# KiCad board rcbus-ymf262-panel.kicad_pcb (continued)
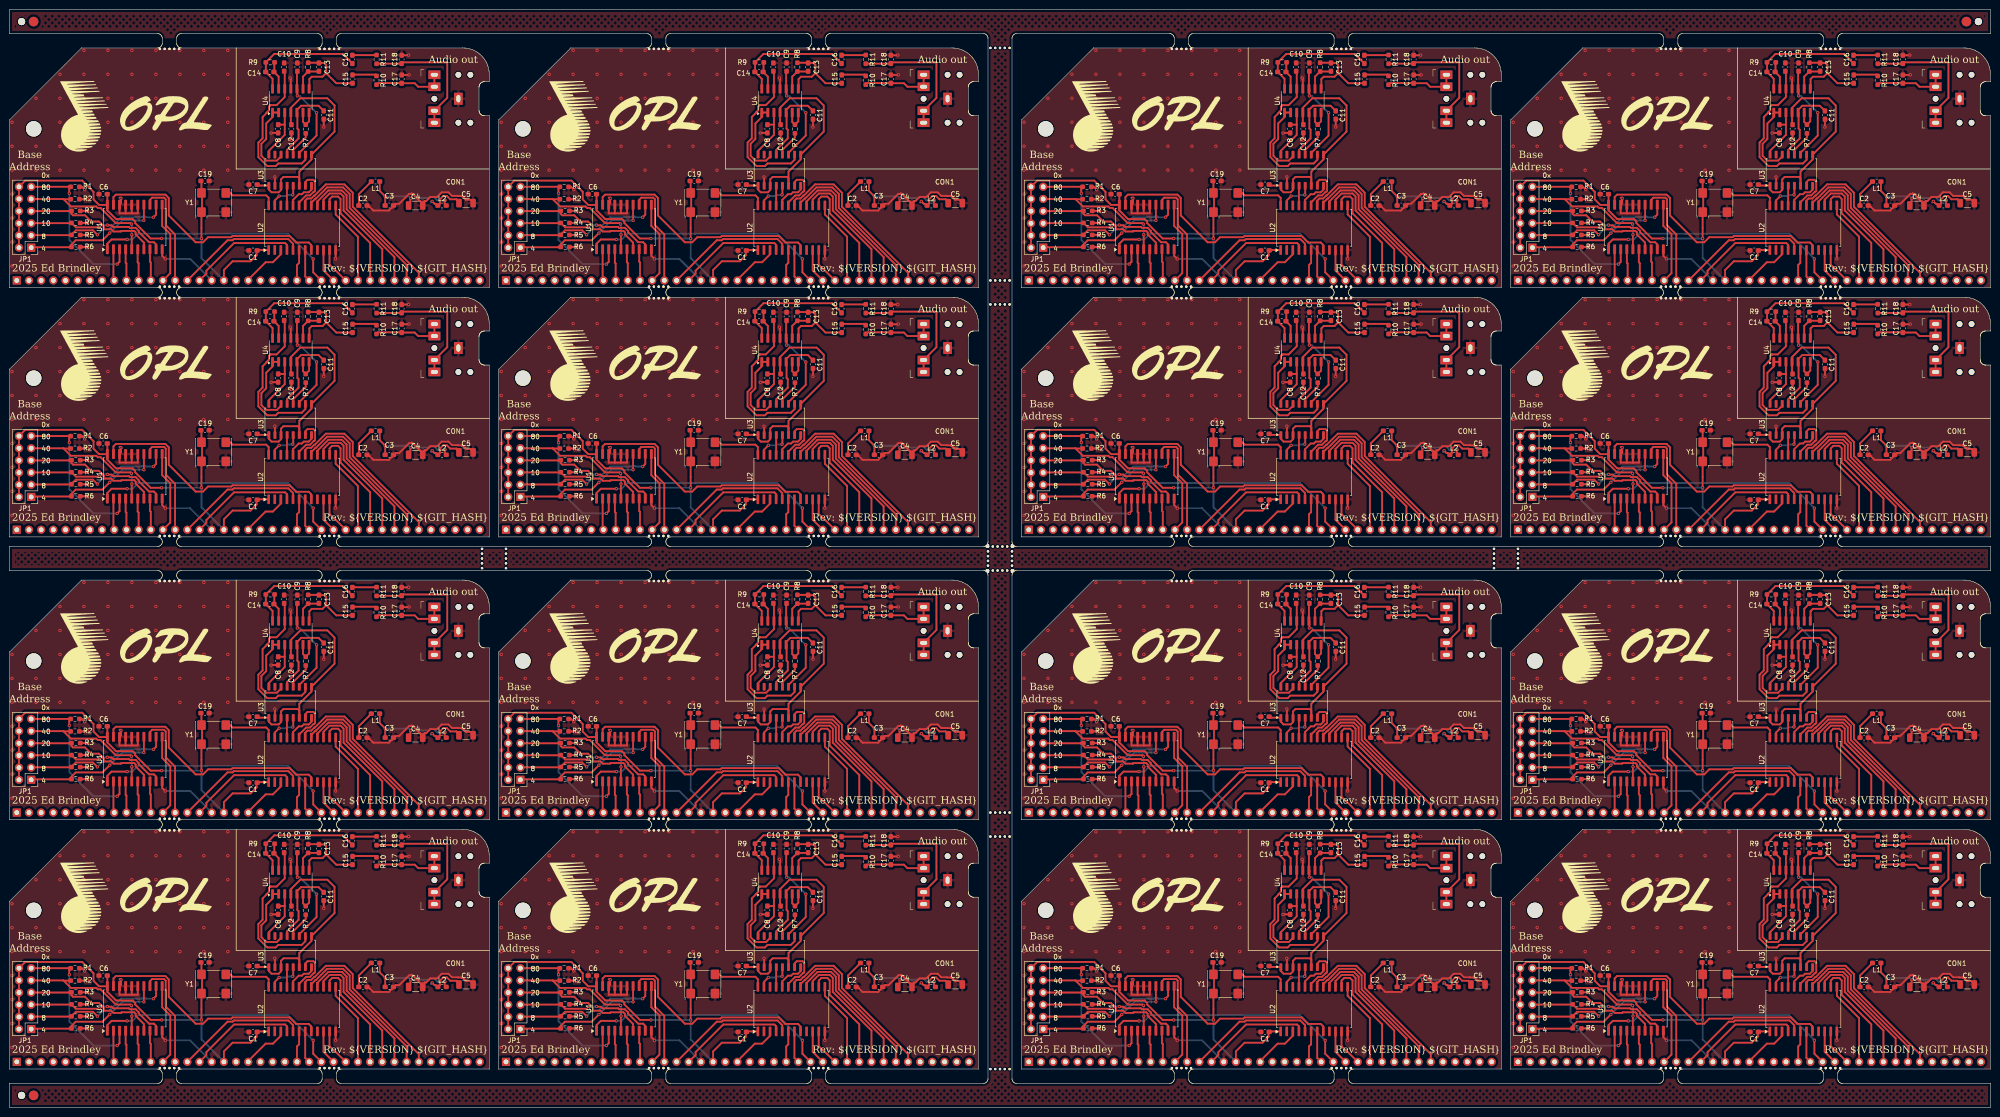
[diagram p0: board, top side]
## Routing (per net, layer and track width the routed paths; a pad name or vN(x,y) marks a point on that pad's centre or on a via; arc(x,y) is an arc through that point) (continued)
Board_15-/~{WR}: length 6.5
  Front w0.381: U2#12.6 373.37,13.17 372.92,12.72 P1#3.24
Board_15-GND: length 76.5
  Front w0.381: C17#8.2 396.26,52.36 v1(396.3,52.4) ; 338.5,23.5 339.73,23.5 339.73,24.84 ; 338.5,23.5 338.46,23.54 U1#6.16 ; 338.5,23.5 337.2,23.5 ; R2#7.2 329.14,26.44 v1(329.2,26.5) ; v1(328.64,28.44) 328.06,29.03 R1#15.2 ; v1(396.2,56.51) 396.16,56.48 C18#8.2 ; 335.92,26.77 336.23,26.77 v1(336.23,26.62) 336.23,25.61 U1#6.18 ; 335.92,24.71 335.92,23.5 337.2,23.5 ; C11#13.2 v1(378.5,41.5) ; v1(367.5,40.25) 367.52,40.28 C8#14.2 ; R6#2.2 329.18,16.48 v1(329.2,16.5) ; v1(329.2,24) 329.19,24.01 R3#4.2 ; 337.2,23.5 337.19,23.51 U1#6.17 ; C2#5.2 388.06,24.85 388.07,24.85 388.83,24.09 392.11,24.09 392.68,24.66 392.68,24.67 C3#9.2 393.52,25.5 393.53,25.51 394.24,25.51 396.28,27.55 396.68,27.55 396.81,27.67 396.94,27.55 397.04,27.55 398.58,26.01 398.66,26.01 398.68,25.99 C4.2 399.52,26.02 399.52,26.03 399.54,26.06 399.87,26.06 400.72,26.91 402.13,26.91 403.1,27.88 404.49,27.88 405.23,27.14 406.45,27.14 406.49,27.11 407.25,27.11 407.26,27.1 407.3,27.1 407.31,27.09 407.35,27.09 407.38,27.06 407.39,27.06 407.42,27.03 407.43,27.03 408.13,26.33 409.08,26.33 C5#7.2 ; R5#4.2 329.19,18.99 v1(329.2,19) ; v1(371.5,51.75) 371.64,51.61 U4#10.11 ; U1#6.10 344.81,14.64 v1(345.46,14) ; C12#5.2 v1(371.75,38.75) ; U2#12.12 v1(380.99,14) ; v1(368.3,31.1) 368.33,31.08 U3#2.2 ; 355.67,9.5 P1#3.17 ; R4#7.2 v1(329.2,21.5)
  Back w0.381: P1#3.17 350.64,14 v1(345.46,14)
  vias: v1(313.5,42.5) v1(313.5,37.5) v1(313.5,32.5) v1(313.5,27.5) v1(313.5,22.5) v1(313.5,17.5) v1(313.5,12.5) v1(318.5,47.5) v1(318.5,37.5) v1(318.5,32.5) v1(323.5,52.5) v1(323.5,47.5) v1(323.5,42.5) v1(323.5,37.5) v1(323.5,32.5) v1(328.5,57.5) v1(328.5,52.5) v1(328.5,47.5) v1(328.5,42.5) v1(328.5,37.5) v1(328.5,32.5) v1(333.5,57.5) v1(333.5,52.5) v1(333.5,47.5) v1(333.5,42.5) v1(333.5,37.5) v1(333.5,32.5) v1(338.5,57.5) v1(338.5,52.5) v1(338.5,47.5) v1(338.5,42.5) v1(338.5,37.5) v1(338.5,32.5) v1(343.5,57.5) v1(343.5,52.5) v1(343.5,47.5) v1(343.5,42.5) v1(343.5,37.5) v1(343.5,32.5) v1(348.5,57.5) v1(348.5,52.5) v1(348.5,47.5) v1(348.5,42.5) v1(348.5,37.5) v1(348.5,32.5) v1(353.5,57.5) v1(353.5,52.5) v1(353.5,47.5) v1(353.5,42.5) v1(353.5,37.5) v1(353.5,32.5) v1(358.5,57.5) v1(358.5,52.5) v1(358.5,47.5) v1(358.5,42.5) v1(358.5,37.5) v1(358.5,32.5)
Board_15-Net-(C3-Pad1): length 21.1
  Front w0.381: v1(396.66,26.63) 396.57,26.54 396.57,26.02 C4.1 ; L1#3.1 390.17,28.18 v1(391.32,27.03) 391.32,25.52 391.41,25.42 ; L2#12.2 403.71,25.6 403.71,26.12 v1(403.79,26.21)
  Back w0.381: v1(391.32,27.03) 396.26,27.03 v1(396.66,26.63) 400.44,26.63 400.72,26.91 401.47,26.91 402.18,26.21 v1(403.79,26.21)
Board_15-Net-(C15-Pad2): length 5.1
  Front w0.381: R10#5.1 389.22,52.44 384.58,52.44 C15#11.2
Board_15-Net-(C16-Pad2): length 4.5
  Front w0.381: 389.23,56.5 384.75,56.5
Board_15-Net-(C17-Pad1): length 15
  Front w0.381: 389.5,50.34 389.84,50.68 394.5,50.68 394.54,50.64 C17#8.1 397.46,50.64 398.2,49.91 CON1#16.TN CON1#16.T
Board_15-Net-(C18-Pad1): length 28
  Front w0.381: CON1#16.R CON1#16.RN 404.25,47.59 404.25,55 394.99,55 C18#8.1 ; 394.45,54.73 389.8,54.73
Board_15-Net-(JP1-Pin_1): length 28.7
  Front w0.381: 318.16,16.43 325.6,16.43 R6#2.1 325.9,17 326.78,17.88 332.36,17.88 v1(333.87,19.38) ; U1#6.14 v1(341,22.03)
  Back w0.381: v1(333.87,19.38) 336.53,22.05 338.92,22.05 338.94,22.03 v1(341,22.03)
Board_15-Net-(JP1-Pin_3): length 30.8
  Front w0.381: v1(331.31,19.03) 330.39,19.95 326.8,19.95 326.28,19.42 R5#4.1 325.6,18.94 317.56,18.94 JP1#5.3 ; v1(343,22.68) 343.54,23.22 U1#6.12
  Back w0.381: v1(331.31,19.03) 332.45,20.17 333.76,20.17 336.27,22.68 340.54,22.68 340.67,22.81 341.33,22.81 341.46,22.68 v1(343,22.68)
Board_15-Net-(JP1-Pin_5): length 29.4
  Front w0.381: v1(331.68,20.62) 331.64,20.58 326.82,20.58 R4#7.1 325.6,21.45 317.53,21.45 JP1#5.5 ; U1#6.9 343.54,17.03 343.09,17.47 342.08,17.47 339.92,19.63 339.92,19.84 339.29,20.47 338.07,20.47 337.87,20.67 334.59,20.67 334.26,21 333.42,21 v1(333.37,21.05)
  Back w0.381: v1(333.37,21.05) 332.1,21.05 v1(331.68,20.62)
Board_15-Net-(JP1-Pin_7): length 28.1
  Front w0.381: JP1#5.7 325.33,23.96 325.33,23.96 325.6,23.96 R3#4.1 325.9,23.4 326.21,23.09 328.72,23.09 330.02,21.79 331.62,21.79 332.63,20.78 332.63,20.25 332.71,20.17 334.19,20.17 334.65,19.71 336.21,19.71 336.34,19.84 338.99,19.84 339.29,19.54 339.29,19.11 341,17.4 341,16.6
Board_15-Net-(JP1-Pin_9): length 29.9
  Front w0.381: v1(338.48,19.05) 338.46,19.03 U1#6.5 ; v1(338.4,21.26) 338.2,21.46 335.14,21.46 331.97,24.63 331.38,24.63 331.08,24.93 325.77,24.93 324.22,26.49 ; 324.22,26.49 324.27,26.44 R2#7.1 ; 324.22,26.49 317.51,26.49
  Back w0.381: v1(338.48,19.05) 338.48,21.17 v1(338.4,21.26)
Board_15-Net-(JP1-Pin_11): length 34.5
  Front w0.381: 325.43,29.04 JP1#5.11 ; R1#15.1 325.43,28.56 325.43,27.71 v1(325.46,27.69) ; U1#6.3 335.92,13.38 v1(335.44,12.9)
  Back w0.381: v1(335.44,12.9) 330.49,12.9 325.46,17.93 v1(325.46,27.69)
Board_15-Net-(U3-AOUT): length 16.9
  Front w0.381: C11#13.1 377.42,45.95 373.78,45.95 372.91,45.08 U4#10.5 373,44.43 373,41.19 373.25,40.94 373.25,39.14 370.87,36.75 U3#2.13
Board_15-Net-(U3-CV): length 11.5
  Front w0.381: U3#2.16 367.05,36.55 370.37,39.86 370.37,42 ; C8#14.1 370.37,42 ; 370.37,42 U4#10.3
Board_15-Net-(U3-MP): length 16.3
  Front w0.381: 367.94,44.53 368.99,44.53 ; U4#10.1 367.83,43.58 366.5,42.25 366.5,39 365.5,38 365.5,35.5 366.5,34.51 368.73,34.51 369.6,35.37 U3#2.14
Board_15-Net-(U3-SWIN): length 5.5
  Front w0.381: U3#2.12 372.13,36.72 374.75,39.34 R7#5.1
Board_15-Net-(U4B--): length 5.6
  Front w0.381: U4#10.6 374.18,42.57 R7#5.2 375.45,42.7 U4#10.7
Board_15-Net-(U4C--): length 6.3
  Front w0.381: U4#10.9 374.18,52.02 R8#10.1 377.45,53.09 C13#2.2
Board_15-Net-(U4D--): length 6
  Front w0.381: R9#8.1 368.2,54.72 368.2,53.08 C14#14.1 369.1,52.02 U4#10.13
Board_15-VCC: length 103.5
  Front w0.381: L1#3.2 388,29.7 385.82,27.52 385.82,25.15 C2#5.1 ; 353.12,28.35 353.12,23.15 353,23.03 v1(353,18.25) ; Y1.4 353,30.14 C19#6.1 ; U2#12.1 364.71,15.85 C1#16.1 364.5,15.75 364.5,14.75 363.25,13.5 359.5,13.5 357.68,11.68 P1#3.18 ; v1(344.71,18.25) 342.41,18.25 339.18,21.48 339.18,21.79 338.66,22.31 335.19,22.31 333.38,24.12 U1#6.20 333.38,27.48 C6#2.1 ; 333.33,25.26 331.65,25.26 330.5,26.41 330.5,27.98 328.14,30.34 316.26,30.34 JP1#5.12 JP1#5.2
  Back w0.381: P1#3.18 353,14.18 v1(353,18.25) v1(344.71,18.25)

## Copper pours and planes (outline as drawn; the poured copper is in the pictures)
(no net) on Front: 30.83,4.5 0.5,4.5 0.5,0.5 412.5,0.5 412.5,4.5 382.17,4.5 380.67,6 378.67,6 377.17,4.5 348.83,4.5 347.33,6 345.33,6 343.83,4.5 280.17,4.5 278.67,6 276.67,6 275.17,4.5 246.83,4.5 245.33,6 243.33,6 241.83,4.5 210,4.5 208.5,6 208.5,111 210,112.5 241.83,112.5 242.95,112 245.71,112 246.83,112.5 275.17,112.5 276.29,112 279.05,112 280.17,112.5 343.83,112.5 344.95,112 347.71,112 348.83,112.5 377.17,112.5 378.29,112 381.05,112 382.17,112.5 412.5,112.5 412.5,116.5 382.17,116.5 381.05,117 378.29,117 377.17,116.5 348.83,116.5 347.71,117 344.95,117 343.83,116.5 280.17,116.5 279.05,117 276.29,117 275.17,116.5 246.83,116.5 245.71,117 242.95,117 241.83,116.5 210,116.5 208.5,118 208.5,223 210,224.5 241.83,224.5 243.33,223 245.33,223 246.83,224.5 275.17,224.5 276.67,223 278.67,223 280.17,224.5 343.83,224.5 345.33,223 347.33,223 348.83,224.5 377.17,224.5 378.67,223 380.67,223 382.17,224.5 412.5,224.5 412.5,228.5 0.5,228.5 0.5,224.5 30.83,224.5 32.33,223 34.33,223 35.83,224.5 64.17,224.5 65.67,223 67.67,223 69.17,224.5 132.83,224.5 134.33,223 136.33,223 137.83,224.5 166.17,224.5 167.67,223 169.67,223 171.17,224.5 203,224.5 204.5,223 204.5,118 203,116.5 171.17,116.5 170.05,117 167.29,117 166.17,116.5 137.83,116.5 136.71,117 133.95,117 132.83,116.5 69.17,116.5 68.05,117 65.29,117 64.17,116.5 35.83,116.5 34.71,117 31.95,117 30.83,116.5 0.5,116.5 0.5,112.5 30.83,112.5 31.95,112 34.71,112 35.83,112.5 64.17,112.5 65.29,112 68.05,112 69.17,112.5 132.83,112.5 133.95,112 136.71,112 137.83,112.5 166.17,112.5 167.29,112 170.05,112 171.17,112.5 203,112.5 204.5,111 204.5,6 203,4.5 171.17,4.5 169.67,6 167.67,6 166.17,4.5 137.83,4.5 136.33,6 134.33,6 132.83,4.5 69.17,4.5 67.67,6 65.67,6 64.17,4.5 35.83,4.5 34.33,6 32.33,6
(no net) on Back: 30.83,4.5 0.5,4.5 0.5,0.5 412.5,0.5 412.5,4.5 382.17,4.5 380.67,6 378.67,6 377.17,4.5 348.83,4.5 347.33,6 345.33,6 343.83,4.5 280.17,4.5 278.67,6 276.67,6 275.17,4.5 246.83,4.5 245.33,6 243.33,6 241.83,4.5 210,4.5 208.5,6 208.5,111 210,112.5 241.83,112.5 242.95,112 245.71,112 246.83,112.5 275.17,112.5 276.29,112 279.05,112 280.17,112.5 343.83,112.5 344.95,112 347.71,112 348.83,112.5 377.17,112.5 378.29,112 381.05,112 382.17,112.5 412.5,112.5 412.5,116.5 382.17,116.5 381.05,117 378.29,117 377.17,116.5 348.83,116.5 347.71,117 344.95,117 343.83,116.5 280.17,116.5 279.05,117 276.29,117 275.17,116.5 246.83,116.5 245.71,117 242.95,117 241.83,116.5 210,116.5 208.5,118 208.5,223 210,224.5 241.83,224.5 243.33,223 245.33,223 246.83,224.5 275.17,224.5 276.67,223 278.67,223 280.17,224.5 343.83,224.5 345.33,223 347.33,223 348.83,224.5 377.17,224.5 378.67,223 380.67,223 382.17,224.5 412.5,224.5 412.5,228.5 0.5,228.5 0.5,224.5 30.83,224.5 32.33,223 34.33,223 35.83,224.5 64.17,224.5 65.67,223 67.67,223 69.17,224.5 132.83,224.5 134.33,223 136.33,223 137.83,224.5 166.17,224.5 167.67,223 169.67,223 171.17,224.5 203,224.5 204.5,223 204.5,118 203,116.5 171.17,116.5 170.05,117 167.29,117 166.17,116.5 137.83,116.5 136.71,117 133.95,117 132.83,116.5 69.17,116.5 68.05,117 65.29,117 64.17,116.5 35.83,116.5 34.71,117 31.95,117 30.83,116.5 0.5,116.5 0.5,112.5 30.83,112.5 31.95,112 34.71,112 35.83,112.5 64.17,112.5 65.29,112 68.05,112 69.17,112.5 132.83,112.5 133.95,112 136.71,112 137.83,112.5 166.17,112.5 167.29,112 170.05,112 171.17,112.5 203,112.5 204.5,111 204.5,6 203,4.5 171.17,4.5 169.67,6 167.67,6 166.17,4.5 137.83,4.5 136.33,6 134.33,6 132.83,4.5 69.17,4.5 67.67,6 65.67,6 64.17,4.5 35.83,4.5 34.33,6 32.33,6
Board_0-GND on Front, Back: 100.5,170.5 52,170.96 -0.05,170.91 0,221 100.5,221
Board_1-GND on Front, Back: 202.5,170.5 154,170.96 101.95,170.91 102,221 202.5,221
Board_2-GND on Front, Back: 311.5,170.5 263,170.96 210.95,170.91 211,221 311.5,221
Board_3-GND on Front, Back: 413.5,170.5 365,170.96 312.95,170.91 313,221 413.5,221
Board_4-GND on Front, Back: 100.5,118.5 52,118.96 -0.05,118.91 0,169 100.5,169
Board_5-GND on Front, Back: 202.5,118.5 154,118.96 101.95,118.91 102,169 202.5,169
Board_6-GND on Front, Back: 311.5,118.5 263,118.96 210.95,118.91 211,169 311.5,169
Board_7-GND on Front, Back: 413.5,118.5 365,118.96 312.95,118.91 313,169 413.5,169
Board_8-GND on Front, Back: 100.5,59.5 52,59.96 -0.05,59.91 0,110 100.5,110
Board_9-GND on Front, Back: 202.5,59.5 154,59.96 101.95,59.91 102,110 202.5,110
Board_10-GND on Front, Back: 311.5,59.5 263,59.96 210.95,59.91 211,110 311.5,110
Board_11-GND on Front, Back: 413.5,59.5 365,59.96 312.95,59.91 313,110 413.5,110
Board_12-GND on Front, Back: 100.5,7.5 52,7.96 -0.05,7.91 0,58 100.5,58
Board_13-GND on Front, Back: 202.5,7.5 154,7.96 101.95,7.91 102,58 202.5,58
Board_14-GND on Front, Back: 311.5,7.5 263,7.96 210.95,7.91 211,58 311.5,58
Board_15-GND on Front, Back: 413.5,7.5 365,7.96 312.95,7.91 313,58 413.5,58

## Text on the board
B.Silkscreen: github.com/electrified/rcbus-ymf262
F.Silkscreen: 8 | 4 | 0x | 80 | 40 | 20 | 10 | Audio out | Base / Address | 2025 Ed Brindley | Rev: ${VERSION} ${GIT_HASH}
